# Altium PCB ROBOT1.PcbDoc (part 3 of 7) (continued)
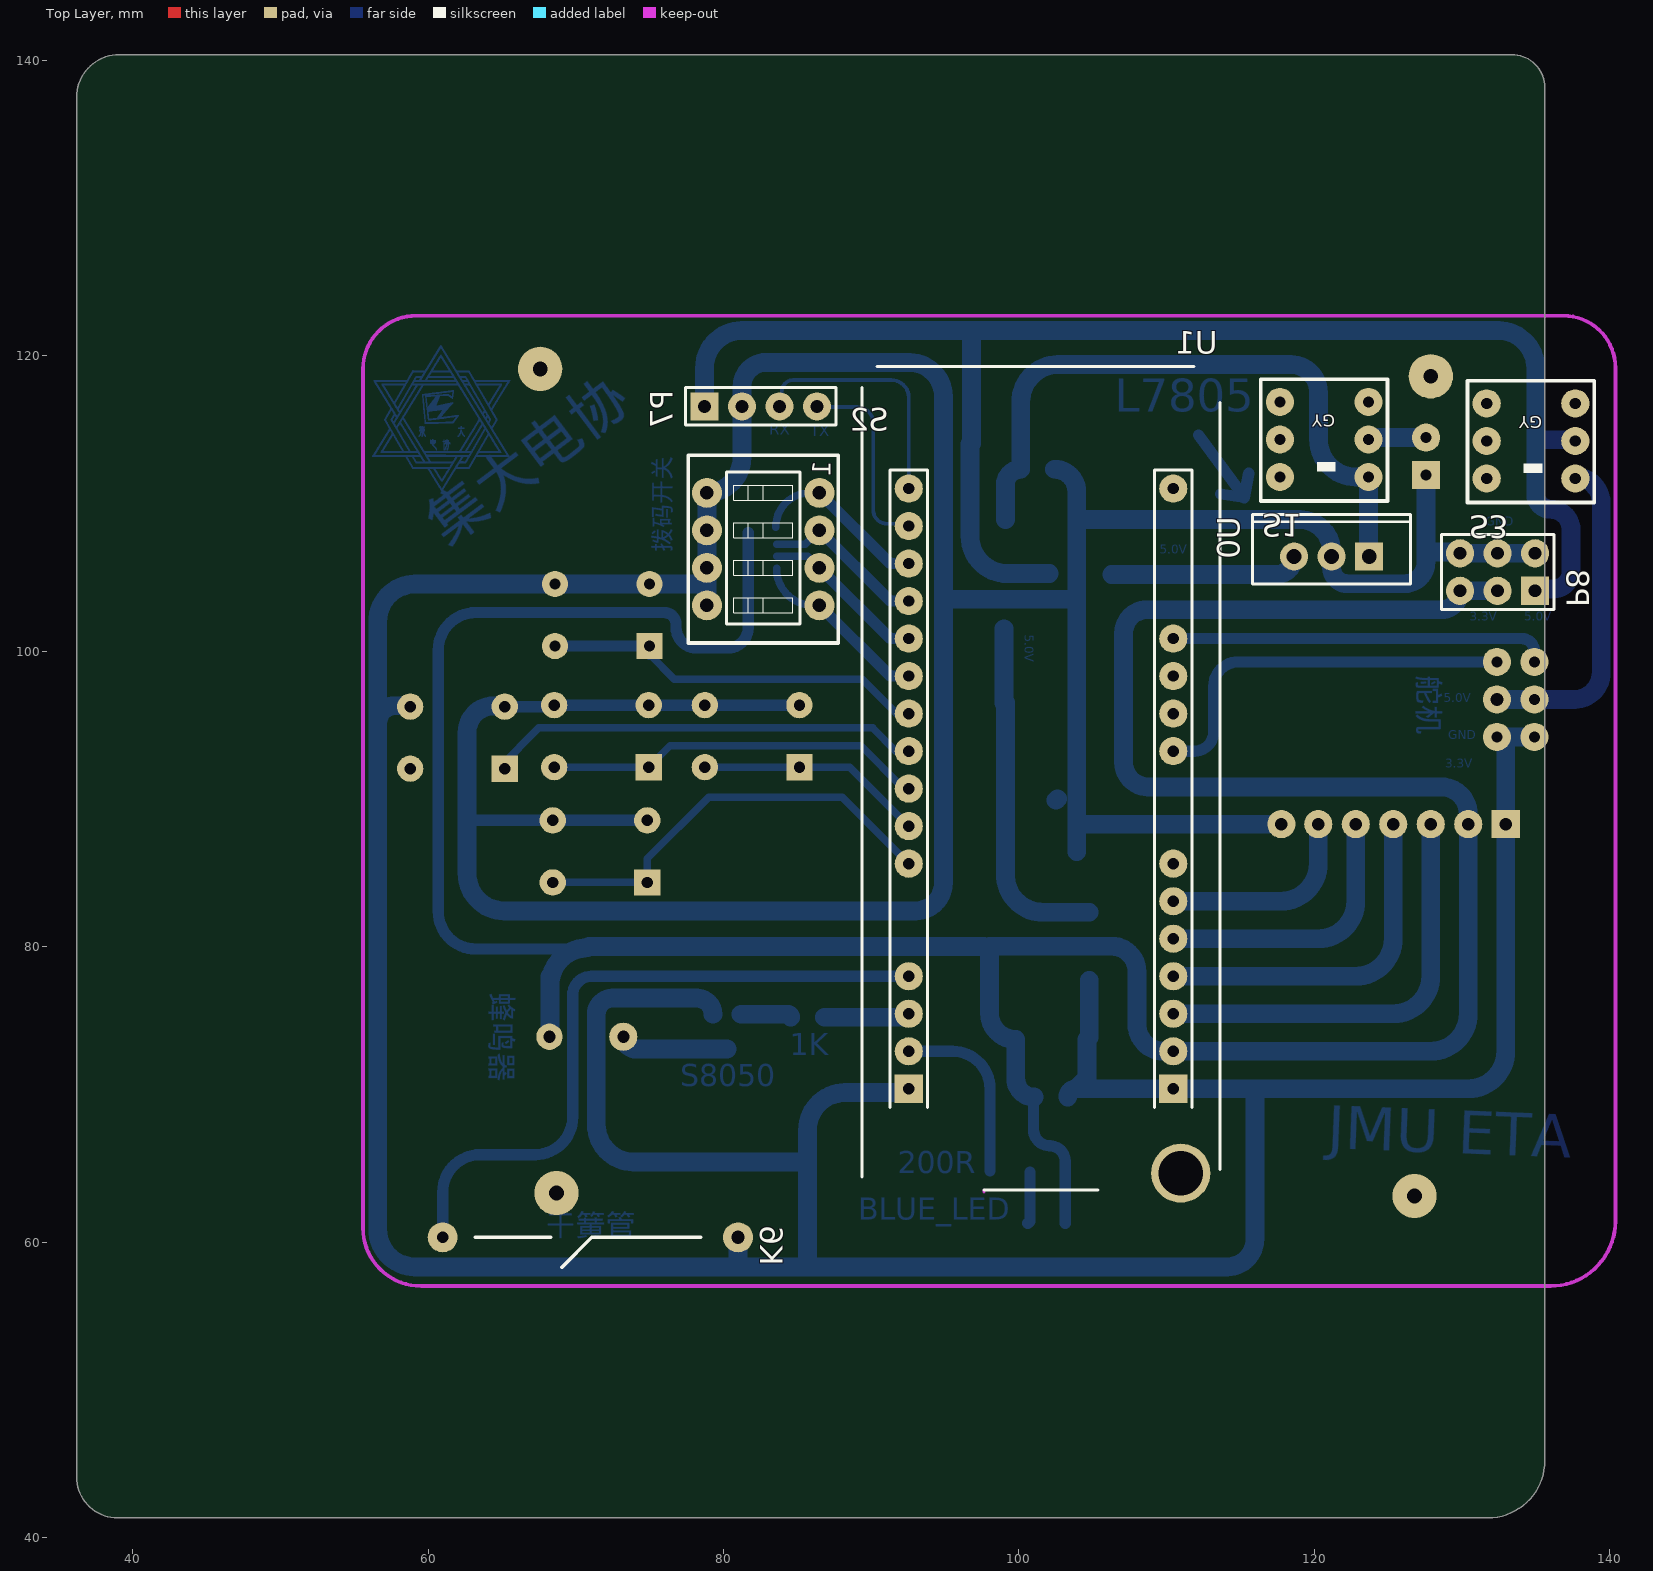
[diagram p0: Top Layer view]
## Nets (pads, with @x,y where several pads share a name; then routed paths per layer and width w, separated by ;. In a path a pad name is that pad's centre, name@x,y a point inside that pad or via, vN(x,y) a via of type N, cw(c..) or ccw(c..) an arc to the next point about the centre after c; other vN are vias at no path point) (continued)
58.879,116.733 ; 58.799,116.743 58.879,116.743 ; 58.799,117.371 58.879,117.371 ; 58.799,117.97 58.869,117.97 ; 58.799,118.749 58.889,118.749 ; 58.809,112.63 58.889,112.63 ; 58.809,112.64 58.879,112.64 ; 58.809,114.287 58.889,114.287 ; 58.809,114.297 58.889,114.297 ; 58.809,114.926 58.889,114.926 ; 58.809,116.753 58.889,116.753 ; 58.809,116.763 58.899,116.763 ; 58.809,117.381 58.889,117.381 ; 58.809,117.391 58.899,117.391 ; 58.809,117.98 58.879,117.98 ; 58.809,117.99 58.889,117.99 ; 58.809,118.759 58.889,118.759 ; 58.809,118.769 58.899,118.769 ; 58.819,112.61 58.899,112.61 ; 58.819,112.62 58.889,112.62 ; 58.819,114.267 58.899,114.267 ; 58.819,114.277 58.899,114.277 ; 58.819,114.906 58.909,114.906 ; 58.819,114.916 58.899,114.916 ; 58.819,116.773 58.899,116.773 ; 58.819,117.401 58.899,117.401 ; 58.819,117.411 58.909,117.411 ; 58.819,118 58.899,118 ; 58.819,118.01 58.899,118.01 ; 58.819,118.02 58.899,118.02 ; 58.819,118.779 58.909,118.779 ; 58.829,112.59 58.909,112.59 ; 58.829,112.6 58.899,112.6 ; 58.829,114.257 58.909,114.257 ; 58.829,114.896 58.919,114.896 ; 58.829,116.783 58.909,116.783 ; 58.829,116.792 58.919,116.792 ; 58.829,117.421 58.909,117.421 ; 58.829,117.431 58.919,117.431 ; 58.829,118.03 62.133,118.03 ; 58.829,118.789 58.909,118.789 ; 58.829,118.799 58.919,118.799 ; 58.839,112.58 58.919,112.58 ; 58.839,114.247 58.919,114.247 ; 58.839,114.876 58.929,114.876 ; 58.839,114.886 58.919,114.886 ; 58.839,116.802 58.919,116.802 ; 58.839,117.441 58.919,117.441 ; 58.839,118.04 62.123,118.04 ; 58.839,118.05 62.123,118.05 ; 58.839,118.809 58.919,118.809 ; 58.839,118.819 58.929,118.819 ; 58.849,112.56 58.929,112.56 ; 58.849,112.57 58.919,112.57 ; 58.849,113.548 58.989,113.548 ; 58.849,114.227 58.929,114.227 ; 58.849,114.237 58.919,114.237 ; 58.849,114.856 58.939,114.856 ; 58.849,114.866 58.929,114.866 ; 58.849,116.812 58.929,116.812 ; 58.849,116.822 58.929,116.822 ; 58.849,117.451 58.929,117.451 ; 58.849,118.06 62.123,118.06 ; 58.849,118.829 58.929,118.829 ; 58.849,118.839 58.939,118.839 ; 58.859,112.54 58.939,112.54 ; 58.859,112.55 58.929,112.55 ; 58.859,114.207 58.949,114.207 ; 58.859,114.217 58.939,114.217 ; 58.859,114.836 58.949,114.836 ; 58.859,114.846 58.939,114.846 ; 58.859,116.832 58.939,116.832 ; 58.859,116.842 58.949,116.842 ; 58.859,117.461 58.939,117.461 ; 58.859,117.471 58.939,117.471 ; 58.859,118.07 62.113,118.07 ; 58.859,118.08 62.103,118.08 ; 58.859,118.849 58.949,118.849 ; 58.859,118.859 58.949,118.859 ; 58.869,112.53 58.949,112.53 ; 58.869,114.197 58.959,114.197 ; 58.869,114.816 58.959,114.816 ; 58.869,114.826 58.949,114.826 ; 58.869,116.852 58.959,116.852 ; 58.869,116.862 58.959,116.862 ; 58.869,117.481 58.949,117.481 ; 58.869,117.491 58.959,117.491 ; 58.869,118.09 62.103,118.09 ; 58.869,118.1 62.093,118.1 ; 58.869,118.869 58.959,118.869 ; 58.879,112.5 58.959,112.5 ; 58.879,112.51 58.959,112.51 ; 58.879,112.52 58.949,112.52 ; 58.879,114.177 58.969,114.177 ; 58.879,114.187 58.959,114.187 ; 58.879,114.796 58.969,114.796 ; 58.879,114.806 58.959,114.806 ; 58.879,116.872 58.969,116.872 ; 58.879,116.882 58.969,116.882 ; 58.879,117.501 58.969,117.501 ; 58.879,117.511 58.969,117.511 ; 58.879,118.11 58.959,118.11 ; 58.879,118.12 58.959,118.12 ; 58.879,118.879 58.959,118.879 ; 58.879,118.889 58.969,118.889 ; 58.889,112.49 58.969,112.49 ; 58.889,114.167 58.969,114.167 ; 58.889,114.786 58.979,114.786 ; 58.889,116.892 58.979,116.892 ; 58.889,117.521 58.969,117.521 ; 58.889,118.13 58.969,118.13 ; 58.889,118.899 58.979,118.899 ; 58.889,118.909 58.979,118.909 ; 58.899,112.47 58.979,112.47 ; 58.899,112.48 58.969,112.48 ; 58.899,114.147 58.979,114.147 ; 58.899,114.157 58.969,114.157 ; 58.899,114.776 58.979,114.776 ; 58.899,116.902 58.979,116.902 ; 58.899,117.531 58.979,117.531 ; 58.899,117.541 58.979,117.541 ; 58.899,118.14 58.979,118.14 ; 58.899,118.15 58.979,118.15 ; 58.899,118.919 58.989,118.919 ; 58.899,118.929 58.989,118.929 ; 58.909,112.46 58.989,112.46 ; 58.909,114.127 58.999,114.127 ; 58.909,114.137 58.989,114.137 ; 58.909,114.756 58.999,114.756 ; 58.909,114.766 58.989,114.766 ; 58.909,116.912 58.989,116.912 ; 58.909,117.551 58.989,117.551 ; 58.909,118.16 58.979,118.16 ; 58.909,118.939 59.847,118.939 ; 58.919,112.43 61.515,112.43 ; 58.919,112.44 61.515,112.44 ; 58.919,112.45 60.387,112.45 ; 58.919,113.199 58.999,113.199 ; 58.919,113.209 58.999,113.209 ; 58.919,114.117 58.999,114.117 ; 58.919,114.746 58.999,114.746 ; 58.919,116.922 58.999,116.922 ; 58.919,116.932 58.999,116.932 ; 58.919,117.561 58.999,117.561 ; 58.919,117.571 58.999,117.571 ; 58.919,118.17 58.989,118.17 ; 58.919,118.18 58.999,118.18 ; 58.919,118.949 59.857,118.949 ; 58.919,118.959 59.857,118.959 ; 58.919,118.969 59.867,118.969 ; 58.929,112.42 61.505,112.42 ; 58.929,113.179 59.009,113.179 ; 58.929,113.189 58.999,113.189 ; 58.929,114.107 59.009,114.107 ; 58.929,114.726 59.019,114.726 ; 58.929,114.736 59.009,114.736 ; 58.929,116.942 59.009,116.942 ; 58.929,116.952 59.009,116.952 ; 58.929,117.581 59.009,117.581 ; 58.929,118.19 59.009,118.19 ; 58.929,118.2 59.009,118.2 ; 58.929,118.979 59.877,118.979 ; 58.939,112.4 61.495,112.4 ; 58.939,112.41 61.505,112.41 ; 58.939,113.169 59.019,113.169 ; 58.939,114.077 59.019,114.077 ; 58.939,114.087 59.019,114.087 ; 58.939,114.097 59.009,114.097 ; 58.939,114.706 59.029,114.706 ; 58.939,114.716 59.019,114.716 ; 58.939,116.962 59.019,116.962 ; 58.939,116.972 59.029,116.972 ; 58.939,117.591 59.019,117.591 ; 58.939,117.601 59.029,117.601 ; 58.939,117.611 59.029,117.611 ; 58.939,118.21 59.019,118.21 ; 58.939,118.22 59.019,118.22 ; 58.939,118.989 59.877,118.989 ; 58.939,118.999 59.887,118.999 ; 58.949,112.39 61.485,112.39 ; 58.949,113.159 59.029,113.159 ; 58.949,114.067 59.029,114.067 ; 58.949,114.686 59.039,114.686 ; 58.949,114.696 59.029,114.696 ; 58.949,116.982 59.029,116.982 ; 58.949,116.992 59.039,116.992 ; 58.949,117.621 59.039,117.621 ; 58.949,118.23 59.029,118.23 ; 58.949,118.24 59.029,118.24 ; 58.949,119.009 59.887,119.009 ; 58.959,113.139 59.039,113.139 ; 58.959,113.149 59.029,113.149 ; 58.959,114.047 59.039,114.047 ; 58.959,114.057 59.039,114.057 ; 58.959,114.676 59.039,114.676 ; 58.959,117.002 59.039,117.002 ; 58.959,117.631 59.039,117.631 ; 58.959,118.25 59.039,118.25 ; 58.969,113.119 59.049,113.119 ; 58.969,113.129 59.039,113.129 ; 58.969,114.027 59.049,114.027 ; 58.969,114.037 59.049,114.037 ; 58.969,114.666 59.049,114.666 ; 58.969,117.012 59.049,117.012 ; 58.969,117.022 59.059,117.022 ; 58.969,117.641 59.049,117.641 ; 58.969,117.651 59.049,117.651 ; 58.969,118.26 59.049,118.26 ; 58.969,118.27 59.049,118.27 ; 58.969,119.019 58.999,119.019 ; 58.979,113.099 59.059,113.099 ; 58.979,113.109 59.049,113.109 ; 58.979,114.017 59.059,114.017 ; 58.979,114.646 59.059,114.646 ; 58.979,114.656 59.059,114.656 ; 58.979,117.032 59.069,117.032 ; 58.979,117.042 59.069,117.042 ; 58.979,117.661 59.059,117.661 ; 58.979,117.671 59.069,117.671 ; 58.979,117.681 59.069,117.681 ; 58.979,118.28 59.059,118.28 ; 58.979,118.29 61.984,118.29 ; 58.989,113.089 59.069,113.089 ; 58.989,114.007 59.069,114.007 ; 58.989,114.626 59.069,114.626 ; 58.989,114.636 59.069,114.636 ; 58.989,117.052 59.079,117.052 ; 58.989,117.691 59.079,117.691 ; 58.989,118.3 61.974,118.3 ; 58.999,113.069 59.079,113.069 ; 58.999,113.079 59.069,113.079 ; 58.999,113.987 59.079,113.987 ; 58.999,113.997 59.069,113.997 ; 58.999,114.606 59.089,114.606 ; 58.999,114.616 59.079,114.616 ; 58.999,117.062 59.089,117.062 ; 58.999,117.072 59.089,117.072 ; 58.999,117.701 59.089,117.701 ; 58.999,118.31 61.964,118.31 ; 58.999,118.32 61.964,118.32 ; 58.999,118.33 61.954,118.33 ; 59.009,113.059 59.079,113.059 ; 59.009,113.548 59.059,113.548 ; 59.009,113.968 59.089,113.968 ; 59.009,113.978 59.079,113.978 ; 59.009,114.596 59.099,114.596 ; 59.009,117.082 59.099,117.082 ; 59.009,117.711 59.089,117.711 ; 59.009,118.34 61.954,118.34 ; 59.019,113.029 59.099,113.029 ; 59.019,113.039 59.099,113.039 ; 59.019,113.049 59.089,113.049 ; 59.019,113.948 59.099,113.948 ; 59.019,113.958 59.089,113.958 ; 59.019,114.576 59.109,114.576 ; 59.019,114.586 59.099,114.586 ; 59.019,117.092 59.109,117.092 ; 59.019,117.102 59.109,117.102 ; 59.019,117.721 59.099,117.721 ; 59.019,117.731 59.099,117.731 ; 59.019,118.35 61.944,118.35 ; 59.019,118.36 59.388,118.36 ; 59.029,113.019 59.109,113.019 ; 59.029,113.938 59.109,113.938 ; 59.029,114.566 59.119,114.566 ; 59.029,117.112 59.119,117.112 ; 59.029,117.741 59.109,117.741 ; 59.029,117.751 59.119,117.751 ; 59.029,118.37 59.119,118.37 ; 59.039,112.999 59.119,112.999 ; 59.039,113.009 59.109,113.009 ; 59.039,113.918 59.129,113.918 ; 59.039,113.928 59.119,113.928 ; 59.039,114.546 59.129,114.546 ; 59.039,114.556 59.119,114.556 ; 59.039,117.122 59.119,117.122 ; 59.039,117.132 59.129,117.132 ; 59.039,117.761 59.129,117.761 ; 59.039,117.771 59.129,117.771 ; 59.039,118.38 59.119,118.38 ; 59.039,118.39 59.119,118.39 ; 59.049,112.979 59.129,112.979 ; 59.049,112.989 59.119,112.989 ; 59.049,113.908 59.129,113.908 ; 59.049,114.527 59.139,114.527 ; 59.049,114.537 59.129,114.537 ; 59.049,117.142 59.129,117.142 ; 59.049,117.781 59.139,117.781 ; 59.049,118.4 59.129,118.4 ; 59.049,118.41 59.129,118.41 ; 59.059,112.959 59.139,112.959 ; 59.059,112.969 59.139,112.969 ; 59.059,113.888 59.139,113.888 ; 59.059,113.898 59.129,113.898 ; 59.059,114.507 59.149,114.507 ; 59.059,114.517 59.139,114.517 ; 59.059,117.152 59.139,117.152 ; 59.059,117.162 59.149,117.162 ; 59.059,117.791 59.139,117.791 ; 59.059,117.801 59.149,117.801 ; 59.059,118.42 59.139,118.42 ; 59.059,118.43 59.139,118.43 ; 59.069,112.949 59.149,112.949 ; 59.069,113.548 59.139,113.548 ; 59.069,113.868 59.159,113.868 ; 59.069,113.878 59.149,113.878 ; 59.069,114.497 59.159,114.497 ; 59.069,117.172 59.149,117.172 ; 59.069,117.182 59.159,117.182 ; 59.069,117.811 59.149,117.811 ; 59.069,118.44 59.149,118.44 ; 59.079,112.929 59.159,112.929 ; 59.079,112.939 59.149,112.939 ; 59.079,113.858 59.159,113.858 ; 59.079,114.477 59.169,114.477 ; 59.079,114.487 59.159,114.487 ; 59.079,117.192 59.159,117.192 ; 59.079,117.821 59.159,117.821 ; 59.079,117.831 59.169,117.831 ; 59.079,118.45 59.149,118.45 ; 59.079,118.46 59.159,118.46 ; 59.079,118.469 59.169,118.469 ; 59.089,112.909 59.169,112.909 ; 59.089,112.919 59.159,112.919 ; 59.089,113.838 59.179,113.838 ; 59.089,113.848 59.169,113.848 ; 59.089,114.467 59.169,114.467 ; 59.089,117.202 59.169,117.202 ; 59.089,117.212 59.169,117.212 ; 59.089,117.841 59.169,117.841 ; 59.089,117.851 59.179,117.851 ; 59.089,117.861 59.179,117.861 ; 59.089,118.479 59.169,118.479 ; 59.099,112.889 59.179,112.889 ; 59.099,112.899 59.169,112.899 ; 59.099,113.818 59.189,113.818 ; 59.099,113.828 59.179,113.828 ; 59.099,114.447 59.189,114.447 ; 59.099,114.457 59.179,114.457 ; 59.099,117.222 59.179,117.222 ; 59.099,117.871 59.189,117.871 ; 59.099,118.489 59.179,118.489 ; 59.099,118.499 59.179,118.499 ; 59.109,112.879 59.189,112.879 ; 59.109,113.808 59.189,113.808 ; 59.109,114.427 59.199,114.427 ; 59.109,114.437 59.199,114.437 ; 59.109,117.232 59.189,117.232 ; 59.109,117.881 59.199,117.881 ; 59.109,118.509 59.189,118.509 ; 59.119,112.86 59.199,112.86 ; 59.119,112.869 59.189,112.869 ; 59.119,113.788 59.199,113.788 ; 59.119,113.798 59.199,113.798 ; 59.119,114.417 59.209,114.417 ; 59.119,117.242 59.199,117.242 ; 59.119,117.252 59.199,117.252 ; 59.119,117.891 59.199,117.891 ; 59.119,118.519 59.199,118.519 ; 59.119,118.529 59.199,118.529 ; 59.129,112.84 61.764,112.84 ; 59.129,112.85 59.209,112.85 ; 59.129,113.778 59.209,113.778 ; 59.129,114.397 59.219,114.397 ; 59.129,114.407 59.209,114.407 ; 59.129,117.262 59.209,117.262 ; 59.129,117.272 59.209,117.272 ; 59.129,117.901 59.209,117.901 ; 59.129,117.91 59.209,117.91 ; 59.129,118.539 59.209,118.539 ; 59.129,118.549 59.398,118.549 ; 59.139,112.82 61.754,112.82 ; 59.139,112.83 61.754,112.83 ; 59.139,113.758 59.219,113.758 ; 59.139,113.768 59.209,113.768 ; 59.139,114.387 59.219,114.387 ; 59.139,117.282 59.219,117.282 ; 59.139,117.292 59.219,117.292 ; 59.139,117.92 59.219,117.92 ; 59.139,117.93 59.219,117.93 ; 59.139,118.559 59.618,118.559 ; 59.139,118.569 59.628,118.569 ; 59.149,112.8 61.734,112.8 ; 59.149,112.81 61.744,112.81 ; 59.149,113.548 59.229,113.548 ; 59.149,113.738 59.239,113.738 ; 59.149,113.748 59.229,113.748 ; 59.149,114.367 59.239,114.367 ; 59.149,114.377 59.229,114.377 ; 59.149,117.302 59.229,117.302 ; 59.149,117.94 59.229,117.94 ; 59.149,117.95 59.239,117.95 ; 59.149,118.579 59.628,118.579 ; 59.159,112.78 61.724,112.78 ; 59.159,112.79 61.734,112.79 ; 59.159,113.718 59.249,113.718 ; 59.159,113.728 59.239,113.728 ; 59.159,114.357 59.239,114.357 ; 59.159,117.312 59.229,117.312 ; 59.159,117.322 59.239,117.322 ; 59.159,117.332 59.249,117.332 ; 59.159,117.96 59.249,117.96 ; 59.159,118.589 59.638,118.589 ; 59.159,118.599 59.638,118.599 ; 59.159,118.609 59.648,118.609 ; 59.169,113.708 59.249,113.708 ; 59.169,114.347 59.249,114.347 ; 59.169,117.342 59.249,117.342 ; 59.169,117.97 59.249,117.97 ; 59.179,112.77 61.724,112.77 ; 59.179,113.698 59.259,113.698 ; 59.179,114.327 59.259,114.327 ; 59.179,114.337 59.259,114.337 ; 59.179,117.351 59.259,117.351 ; 59.179,117.361 59.269,117.361 ; 59.179,117.98 59.259,117.98 ; 59.179,117.99 59.259,117.99 ; 59.179,118.619 59.209,118.619 ; 59.189,113.678 59.269,113.678 ; 59.189,113.688 59.259,113.688 ; 59.189,114.307 59.269,114.307 ; 59.189,114.317 59.269,114.317 ; 59.189,117.371 59.278,117.371 ; 59.189,117.381 59.278,117.381 ; 59.189,118 59.269,118 ; 59.189,118.01 59.278,118.01 ; 59.189,118.02 59.278,118.02 ; 59.199,113.658 59.278,113.658 ; 59.199,113.668 59.278,113.668 ; 59.199,114.287 59.288,114.287 ; 59.199,114.297 59.278,114.297 ; 59.199,117.391 59.288,117.391 ; 59.209,113.648 59.288,113.648 ; 59.209,114.267 59.298,114.267 ; 59.209,114.277 59.288,114.277 ; 59.209,117.401 59.288,117.401 ; 59.219,113.628 59.308,113.628 ; 59.219,113.638 59.298,113.638 ; 59.219,114.257 59.308,114.257 ; 59.219,117.411 59.298,117.411 ; 59.219,117.421 59.308,117.421 ; 59.229,113.608 59.308,113.608 ; 59.229,113.618 59.308,113.618 ; 59.229,114.247 59.308,114.247 ; 59.229,117.431 59.308,117.431 ; 59.229,117.441 59.318,117.441 ; 59.239,113.588 59.318,113.588 ; 59.239,113.598 59.318,113.598 ; 59.239,114.217 59.328,114.217 ; 59.239,114.227 59.318,114.227 ; 59.239,114.237 59.318,114.237 ; 59.239,117.451 59.328,117.451 ; 59.249,113.548 59.348,113.548 ; 59.249,113.578 59.328,113.578 ; 59.249,114.207 59.328,114.207 ; 59.249,117.461 59.328,117.461 ; 59.249,117.471 59.338,117.471 ; 59.259,113.558 59.338,113.558 ; 59.259,113.568 59.338,113.568 ; 59.259,114.187 59.348,114.187 ; 59.259,114.197 59.338,114.197 ; 59.259,117.481 59.338,117.481 ; 59.259,117.491 59.348,117.491 ; 59.269,114.177 59.358,114.177 ; 59.269,117.501 59.348,117.501 ; 59.278,114.157 59.368,114.157 ; 59.278,114.167 59.358,114.167 ; 59.278,117.511 59.358,117.511 ; 59.278,117.521 59.368,117.521 ; 59.288,114.137 59.378,114.137 ; 59.288,114.147 59.368,114.147 ; 59.288,117.531 59.368,117.531 ; 59.288,117.541 59.378,117.541 ; 59.298,114.117 59.388,114.117 ; 59.298,114.127 59.388,114.127 ; 59.298,117.551 59.388,117.551 ; 59.308,113.468 59.398,113.468 ; 59.308,114.107 59.398,114.107 ; 59.308,117.561 59.388,117.561 ; 59.318,113.458 59.408,113.458 ; 59.318,114.087 59.408,114.087 ; 59.318,114.097 59.408,114.097 ; 59.318,117.571 59.398,117.571 ; 59.318,117.581 59.408,117.581 ; 59.328,113.448 59.408,113.448 ; 59.328,114.077 59.418,114.077 ; 59.328,117.591 59.408,117.591 ; 59.328,117.601 59.408,117.601 ; 59.328,117.611 59.418,117.611 ; 59.338,113.419 59.428,113.419 ; 59.338,113.428 59.418,113.428 ; 59.338,113.438 59.418,113.438 ; 59.338,114.057 59.428,114.057 ; 59.338,114.067 59.418,114.067 ; 59.338,117.621 59.428,117.621 ; 59.348,113.399 59.438,113.399 ; 59.348,113.409 59.438,113.409 ; 59.348,114.037 59.438,114.037 ; 59.348,114.047 59.428,114.047 ; 59.348,117.631 59.428,117.631 ; 59.348,117.641 59.438,117.641 ; 59.358,113.389 59.448,113.389 ; 59.358,114.027 59.448,114.027 ; 59.358,117.651 59.448,117.651 ; 59.358,117.661 59.448,117.661 ; 59.368,113.369 59.458,113.369 ; 59.368,113.379 59.448,113.379 ; 59.368,114.007 59.458,114.007 ; 59.368,114.017 59.448,114.017 ; 59.368,114.576 59.398,114.576 ; 59.368,114.586 59.408,114.586 ; 59.368,117.671 59.458,117.671 ; 59.378,113.997 59.468,113.997 ; 59.378,114.566 59.388,114.566 ; 59.378,114.596 59.418,114.596 ; 59.378,117.681 59.458,117.681 ; 59.388,113.349 59.468,113.349 ; 59.388,113.359 59.468,113.359 ; 59.388,113.978 59.478,113.978 ; 59.388,113.987 59.468,113.987 ; 59.388,117.691 59.468,117.691 ; 59.388,117.701 59.478,117.701 ; 59.398,113.329 59.478,113.329 ; 59.398,113.339 59.478,113.339 ; 59.398,113.958 59.488,113.958 ; 59.398,113.968 59.478,113.968 ; 59.398,114.606 59.448,114.606 ; 59.398,114.936 59.788,114.936 ; 59.398,114.946 59.788,114.946 ; 59.398,117.711 59.488,117.711 ; 59.398,117.721 59.488,117.721 ; 59.398,118.36 59.708,118.36 ; 59.408,113.319 59.488,113.319 ; 59.408,113.948 59.488,113.948 ; 59.408,114.616 59.458,114.616 ; 59.408,114.926 59.778,114.926 ; 59.408,114.956 59.778,114.956 ; 59.408,115.165 59.498,115.165 ; 59.408,115.175 59.498,115.175 ; 59.408,115.185 59.508,115.185 ; 59.408,117.731 59.498,117.731 ; 59.408,118.37 59.498,118.37 ; 59.408,118.619 59.518,118.619 ; 59.418,113.299 59.498,113.299 ; 59.418,113.309 59.498,113.309 ; 59.418,113.928 59.508,113.928 ; 59.418,113.938 59.498,113.938 ; 59.418,114.626 59.458,114.626 ; 59.418,114.636 59.468,114.636 ; 59.418,115.195 59.768,115.195 ; 59.418,117.741 59.498,117.741 ; 59.418,117.751 59.508,117.751 ; 59.418,118.38 59.498,118.38 ; 59.418,118.39 59.508,118.39 ; 59.428,113.918 59.508,113.918 ; 59.428,114.646 59.468,114.646 ; 59.428,115.006 59.758,115.006 ; 59.428,115.016 59.768,115.016 ; 59.428,115.155 59.748,115.155 ; 59.428,117.761 59.508,117.761 ; 59.428,118.4 59.518,118.4 ; 59.428,118.549 59.488,118.549 ; 59.438,113.898 59.528,113.898 ; 59.438,113.908 59.518,113.908 ; 59.438,114.656 59.478,114.656 ; 59.438,114.666 59.478,114.666 ; 59.438,114.996 59.478,114.996 ; 59.438,115.145 59.748,115.145 ; 59.438,115.205 59.768,115.205 ; 59.438,115.215 59.528,115.215 ; 59.438,117.771 59.518,117.771 ; 59.438,117.781 59.528,117.781 ; 59.438,118.41 59.528,118.41 ; 59.438,118.42 59.528,118.42 ; 59.448,113.878 59.538,113.878 ; 59.448,113.888 59.528,113.888 ; 59.448,114.676 59.488,114.676 ; 59.448,114.686 59.488,114.686 ; 59.448,114.696 59.488,114.696 ; 59.448,115.026 59.768,115.026 ; 59.448,115.066 59.498,115.066 ; 59.448,115.076 59.748,115.076 ; 59.448,115.086 59.748,115.086 ; 59.448,115.096 59.748,115.096 ; 59.448,115.135 59.748,115.135 ; 59.448,117.791 59.528,117.791 ; 59.448,117.801 59.538,117.801 ; 59.448,118.43 59.538,118.43 ; 59.448,118.44 59.538,118.44 ; 59.458,113.868 59.548,113.868 ; 59.458,114.706 59.488,114.706 ; 59.458,114.716 59.488,114.716 ; 59.458,114.726 59.498,114.726 ; 59.458,114.736 59.498,114.736 ; 59.458,114.746 59.508,114.746 ; 59.458,114.756 59.508,114.756 ; 59.458,115.036 59.758,115.036 ; 59.458,115.046 59.498,115.046 ; 59.458,115.056 59.488,115.056 ; 59.458,115.105 59.498,115.105 ; 59.458,115.115 59.488,115.115 ; 59.458,115.125 59.498,115.125 ; 59.458,115.225 59.508,115.225 ; 59.458,117.811 59.538,117.811 ; 59.458,118.45 59.548,118.45 ; 59.468,113.209 59.558,113.209 ; 59.468,113.848 59.558,113.848 ; 59.468,113.858 59.548,113.858 ; 59.468,114.766 59.508,114.766 ; 59.468,114.776 59.518,114.776 ; 59.468,114.786 59.518,114.786 ; 59.468,117.821 59.548,117.821 ; 59.468,118.46 59.558,118.46 ; 59.468,118.469 59.558,118.469 ; 59.478,113.189 59.568,113.189 ; 59.478,113.199 59.558,113.199 ; 59.478,113.828 59.568,113.828 ; 59.478,113.838 59.558,113.838 ; 59.478,114.796 59.518,114.796 ; 59.478,114.806 59.518,114.806 ; 59.478,114.816 59.528,114.816 ; 59.478,117.831 59.558,117.831 ; 59.478,117.841 59.558,117.841 ; 59.478,117.851 59.568,117.851 ; 59.478,118.479 59.568,118.479 ; 59.488,113.179 59.578,113.179 ; 59.488,113.818 59.568,113.818 ; 59.488,114.826 59.528,114.826 ; 59.488,114.836 59.528,114.836 ; 59.488,115.235 59.508,115.235 ; 59.488,117.861 59.568,117.861 ; 59.488,117.871 59.578,117.871 ; 59.488,118.489 59.568,118.489 ; 59.488,118.499 59.578,118.499 ; 59.488,118.509 59.588,118.509 ; 59.498,113.169 59.578,113.169 ; 59.498,113.798 59.588,113.798 ; 59.498,113.808 59.578,113.808 ; 59.498,114.846 59.528,114.846 ; 59.498,114.856 59.528,114.856 ; 59.498,114.866 59.538,114.866 ; 59.498,117.881 59.588,117.881 ; 59.498,118.519 59.588,118.519 ; 59.508,113.149 59.598,113.149 ; 59.508,113.159 59.588,113.159 ; 59.508,113.788 59.588,113.788 ; 59.508,114.876 59.548,114.876 ; 59.508,117.891 59.588,117.891 ; 59.508,117.901 59.598,117.901 ; 59.508,118.529 59.598,118.529 ; 59.508,118.539 59.608,118.539 ; 59.508,118.549 59.608,118.549 ; 59.518,113.129 59.608,113.129 ; 59.518,113.139 59.598,113.139 ; 59.518,113.768 59.608,113.768 ; 59.518,113.778 59.598,113.778 ; 59.518,114.886 59.548,114.886 ; 59.518,114.896 59.558,114.896 ; 59.518,117.91 59.598,117.91 ; 59.528,113.109 59.618,113.109 ; 59.528,113.119 59.608,113.119 ; 59.528,113.748 59.608,113.748 ; 59.528,113.758 59.608,113.758 ; 59.528,114.906 59.568,114.906 ; 59.528,114.916 59.668,114.916 ; 59.528,115.185 59.548,115.185 ; 59.528,117.92 59.608,117.92 ; 59.528,117.93 59.618,117.93 ; 59.538,113.099 59.628,113.099 ; 59.538,113.738 59.628,113.738 ; 59.538,117.94 59.628,117.94 ; 59.538,117.95 59.638,117.95 ; 59.548,113.079 59.638,113.079 ; 59.548,113.089 59.628,113.089 ; 59.548,113.718 59.638,113.718 ; 59.548,113.728 59.628,113.728 ; 59.548,115.125 59.638,115.125 ; 59.548,117.96 59.638,117.96 ; 59.558,113.069 59.648,113.069 ; 59.558,113.708 59.648,113.708 ; 59.558,115.215 59.648,115.215 ; 59.558,117.97 59.648,117.97 ; 59.558,118.619 59.648,118.619 ; 59.568,113.049 59.658,113.049 ; 59.568,113.059 59.648,113.059 ; 59.568,113.688 59.658,113.688 ; 59.568,113.698 59.648,113.698 ; 59.568,114.746 59.628,114.746 ; 59.568,114.756 59.628,114.756 ; 59.568,114.766 59.628,114.766 ; 59.568,114.776 59.628,114.776 ; 59.568,115.105 59.638,115.105 ; 59.568,115.115 59.628,115.115 ; 59.568,117.98 59.648,117.98 ; 59.568,117.99 59.648,117.99 ; 59.568,118.629 59.658,118.629 ; 59.578,113.039 59.668,113.039 ; 59.578,113.678 59.658,113.678 ; 59.578,114.556 59.618,114.556 ; 59.578,114.566 59.618,114.566 ; 59.578,114.576 59.618,114.576 ; 59.578,114.586 59.618,114.586 ; 59.578,114.596 59.618,114.596 ; 59.578,114.606 59.628,114.606 ; 59.578,114.616 59.628,114.616 ; 59.578,114.626 59.628,114.626 ; 59.578,114.636 59.628,114.636 ; 59.578,114.646 59.628,114.646 ; 59.578,114.656 59.628,114.656 ; 59.578,114.666 59.628,114.666 ; 59.578,114.676 59.628,114.676 ; 59.578,114.686 59.628,114.686 ; 59.578,114.696 59.628,114.696 ; 59.578,114.706 59.628,114.706 ; 59.578,114.716 59.628,114.716 ; 59.578,114.726 59.628,114.726 ; 59.578,114.736 59.628,114.736 ; 59.578,114.786 59.628,114.786 ; 59.578,114.796 59.628,114.796 ; 59.578,114.806 59.628,114.806 ; 59.578,114.816 59.628,114.816 ; 59.578,114.826 59.628,114.826 ; 59.578,114.836 59.628,114.836 ; 59.578,114.846 59.628,114.846 ; 59.578,114.856 59.628,114.856 ; 59.578,114.866 59.628,114.866 ; 59.578,114.906 59.628,114.906 ; 59.578,114.996 59.628,114.996 ; 59.578,115.185 59.628,115.185 ; 59.578,115.225 59.628,115.225 ; 59.578,118 59.658,118 ; 59.578,118.01 59.658,118.01 ; 59.578,118.02 59.668,118.02 ; 59.578,118.639 59.668,118.639 ; 59.588,113.019 59.678,113.019 ; 59.588,113.029 59.668,113.029 ; 59.588,113.658 59.678,113.658 ; 59.588,113.668 59.668,113.668 ; 59.588,114.537 59.608,114.537 ; 59.588,114.546 59.618,114.546 ; 59.588,114.876 59.618,114.876 ; 59.588,114.886 59.618,114.886 ; 59.588,114.896 59.618,114.896 ; 59.588,114.966 59.638,114.966 ; 59.588,114.976 59.628,114.976 ; 59.588,114.986 59.628,114.986 ; 59.588,115.046 59.628,115.046 ; 59.588,115.056 59.628,115.056 ; 59.588,115.066 59.628,115.066 ; 59.588,115.165 59.628,115.165 ; 59.588,115.175 59.628,115.175 ; 59.588,115.235 59.618,115.235 ; 59.588,118.649 59.668,118.649 ; 59.588,118.659 59.678,118.659 ; 59.598,112.999 59.688,112.999 ; 59.598,113.009 59.688,113.009 ; 59.598,113.638 59.688,113.638 ; 59.598,113.648 59.678,113.648 ; 59.598,118.669 59.688,118.669 ; 59.598,118.679 59.688,118.679 ; 59.608,112.979 59.698,112.979 ; 59.608,112.989 59.698,112.989 ; 59.608,113.618 59.698,113.618 ; 59.608,113.628 59.688,113.628 ; 59.608,117.272 59.678,117.272 ; 59.608,117.282 59.678,117.282 ; 59.608,117.292 59.678,117.292 ; 59.608,117.302 59.678,117.302 ; 59.608,117.312 59.678,117.312 ; 59.608,117.322 59.668,117.322 ; 59.608,117.332 59.668,117.332 ; 59.608,117.342 59.668,117.342 ; 59.608,117.351 59.678,117.351 ; 59.608,117.361 59.788,117.361 ; 59.608,117.371 59.857,117.371 ; 59.608,117.381 59.937,117.381 ; 59.608,117.391 59.997,117.391 ; 59.608,117.401 60.107,117.401 ; 59.608,118.11 59.628,118.11 ; 59.608,118.689 59.698,118.689 ; 59.608,118.699 59.698,118.699 ; 59.618,112.969 59.708,112.969 ; 59.618,113.608 59.708,113.608 ; 59.618,117.222 59.688,117.222 ; 59.618,117.232 59.678,117.232 ; 59.618,117.242 59.678,117.242 ; 59.618,117.252 59.678,117.252 ; 59.618,117.262 59.678,117.262 ; 59.618,118.709 59.708,118.709 ; 59.628,112.959 59.718,112.959 ; 59.628,113.598 59.708,113.598 ; 59.628,117.092 59.688,117.092 ; 59.628,117.102 59.688,117.102 ; 59.628,117.112 59.688,117.112 ; 59.628,117.122 59.688,117.122 ; 59.628,117.132 59.688,117.132 ; 59.628,117.142 59.688,117.142 ; 59.628,117.152 59.688,117.152 ; 59.628,117.162 59.688,117.162 ; 59.628,117.172 59.688,117.172 ; 59.628,117.182 59.688,117.182 ; 59.628,117.192 59.688,117.192 ; 59.628,117.202 59.688,117.202 ; 59.628,117.212 59.688,117.212 ; 59.628,118.719 59.718,118.719 ; 59.628,118.729 59.718,118.729 ; 59.638,112.949 59.718,112.949 ; 59.638,113.578 59.718,113.578 ; 59.638,113.588 59.718,113.588 ; 59.638,114.906 59.668,114.906 ; 59.638,117.022 59.708,117.022 ; 59.638,117.032 59.698,117.032 ; 59.638,117.042 59.698,117.042 ; 59.638,117.052 59.698,117.052 ; 59.638,117.062 59.698,117.062 ; 59.638,117.072 59.698,117.072 ; 59.638,117.082 59.698,117.082 ; 59.638,118.739 59.728,118.739 ; 59.648,112.919 59.738,112.919 ; 59.648,112.929 59.728,112.929 ; 59.648,112.939 59.728,112.939 ; 59.648,113.548 59.748,113.548 ; 59.648,113.558 59.728,113.558 ; 59.648,113.568 59.728,113.568 ; 59.648,114.896 59.678,114.896 ; 59.648,116.842 59.718,116.842 ; 59.648,116.852 59.718,116.852 ; 59.648,116.862 59.718,116.862 ; 59.648,116.872 59.708,116.872 ; 59.648,116.882 59.708,116.882 ; 59.648,116.892 59.708,116.892 ; 59.648,116.902 59.708,116.902 ; 59.648,116.912 59.708,116.912 ; 59.648,116.922 59.708,116.922 ; 59.648,116.932 59.708,116.932 ; 59.648,116.942 59.708,116.942 ; 59.648,116.952 59.708,116.952 ; 59.648,116.962 59.708,116.962 ; 59.648,116.972 59.708,116.972 ; 59.648,116.982 59.708,116.982 ; 59.648,116.992 59.708,116.992 ; 59.648,117.002 59.708,117.002 ; 59.648,117.012 59.708,117.012 ; 59.648,117.411 60.137,117.411 ; 59.648,118.749 59.728,118.749 ; 59.648,118.759 59.738,118.759 ; 59.648,118.769 59.748,118.769 ; 59.658,112.909 59.748,112.909 ; 59.658,113.538 63.002,113.538 ; 59.658,114.886 59.688,114.886 ; 59.658,116.773 59.728,116.773 ; 59.658,116.783 59.728,116.783 ; 59.658,116.792 59.728,116.792 ; 59.658,116.802 59.728,116.802 ; 59.658,116.812 59.728,116.812 ; 59.658,116.822 59.718,116.822 ; 59.658,116.832 59.718,116.832 ; 59.658,118.779 59.748,118.779 ; 59.668,112.889 59.758,112.889 ; 59.668,112.899 59.748,112.899 ; 59.668,113.528 62.992,113.528 ; 59.668,114.846 59.708,114.846 ; 59.668,114.856 59.708,114.856 ; 59.668,114.866 59.698,114.866 ; 59.668,114.876 59.698,114.876 ; 59.668,116.623 59.738,116.623 ; 59.668,116.633 59.738,116.633 ; 59.668,116.643 59.738,116.643 ; 59.668,116.653 59.738,116.653 ; 59.668,116.663 59.738,116.663 ; 59.668,116.673 59.728,116.673 ; 59.668,116.683 59.728,116.683 ; 59.668,116.693 59.728,116.693 ; 59.668,116.703 59.728,116.703 ; 59.668,116.713 59.728,116.713 ; 59.668,116.723 59.728,116.723 ; 59.668,116.733 59.728,116.733 ; 59.668,116.743 59.728,116.743 ; 59.668,116.753 59.728,116.753 ; 59.668,116.763 59.728,116.763 ; 59.668,118.789 59.758,118.789 ; 59.668,118.799 59.768,118.799 ; 59.678,112.879 59.758,112.879